# KiCad board sample013-sdi-mipi-video-converter.kicad_pcb (continued)
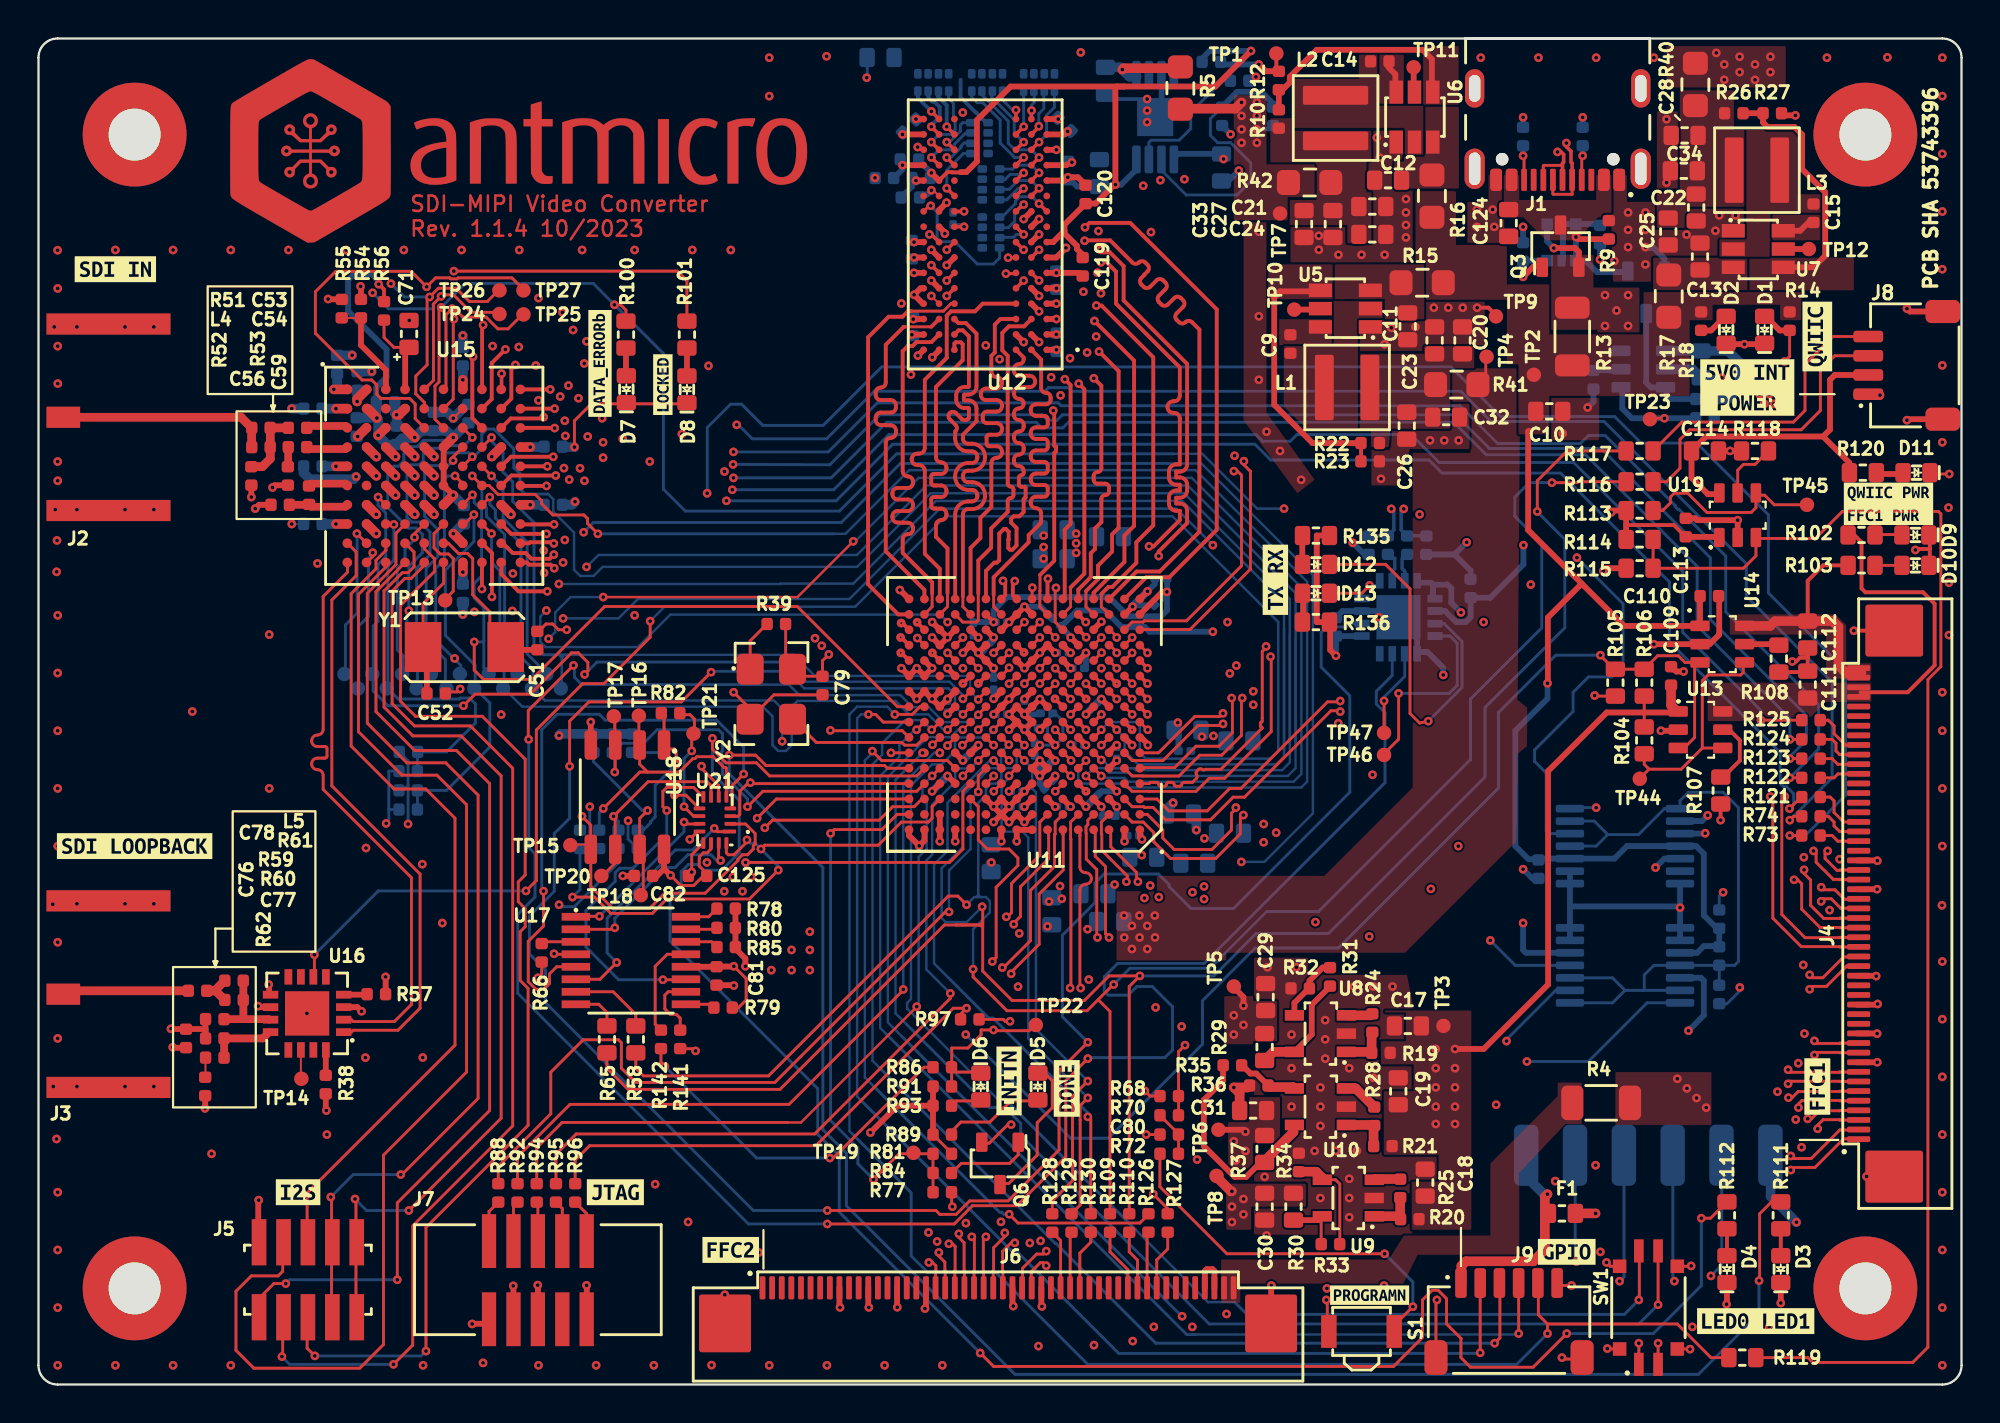
[diagram p0: board, top side]
## Routing (per net, layer and track width the routed paths; a pad name or vN(x,y) marks a point on that pad's centre or on a via; arc(x,y) is an arc through that point) (continued)
/Peripherals/QW_FLT: length 9.9
  Top w0.15: 89.31,46.3 89.31,45.6 89.06,45.35 86.76,45.35 85.76,46.35 85.06,46.35 84.86,46.15 84.86,45.85 84.46,45.45 R113.2 ; 91.91,45.75 90.26,45.75 89.76,46.25 89.36,46.25
/Peripherals/QWIIC_3V3: length 17.3
  Top w0.3: 87.41,46.3 86.81,46.3 85.96,47.15 C114.2 86.71,49.3 92.8,49.3 ; R120.2 94.16,47.43 94.16,47.94 92.8,49.3 ; 94.5,52.5 93.41,52.5 93.16,52.25 93.16,49.66 92.8,49.3
/Peripherals/QWIIC_PEN: length 71.3
  Top w0.15: R114.2 R115.1 88.66,42.45 89.31,43.1 89.31,44 92.4,44 93.8,45.4 98.8,45.4 98.93,45.28 98.93,37.34 98.25,36.66 98.25,1.94 97.46,1.15 92.26,1.15 92.01,1.4 R119.1
/Peripherals/USB_D2N: length 1.3
  Bottom w0.182: 70.91,42.96 70.91,42.43 71.04,42.3 71.04,41.7
/Peripherals/USB_D2P: length 1.8
  Bottom w0.182: 70.4,41.7 70.4,42.3 70.53,42.43 70.53,42.96 70.37,42.96 70.17,43.17
/Peripherals/USB_DN: length 30.4
  Top w0.15: 78.75,62.65 78.75,61.92 78.78,61.9 79.75,61.9 79.75,61.9 79.75,62.65
  Top w0.182: 79.75,62.65 79.75,63.51 79.69,63.57 79.69,64.13 79.45,64.37 v1(79.45,64.56)
  In2.Cu w0.1: v1(71,45.54) 70.79,45.74 70.79,49.44 76.12,54.77 76.12,59.37 76.69,59.93 76.69,61 77.3,61.62 78.28,61.62 79.45,62.78 v1(79.45,64.56)
  Bottom w0.182: 72.17,44.14 71.17,44.14 70.86,44.44 70.86,45.4 v1(71,45.54)
/Peripherals/USB_DP: length 30.4
  Top w0.15: 79.25,62.65 79.25,63.37 79.22,63.4 78.28,63.4 78.25,63.37 78.25,62.65
  Top w0.182: v1(78.99,64.1) 79.18,64.1 79.31,63.97 79.31,63.57 79.25,63.51 79.25,62.65
  In2.Cu w0.1: v1(70.34,45.54) 70.54,45.74 70.54,49.54 75.88,54.87 75.88,57.54 arc(75.82,57.66) 75.7,57.71 75.56,57.71 arc(75.43,57.76) 75.38,57.89 arc(75.43,58.01) 75.56,58.06 75.7,58.06 arc(75.82,58.11) 75.88,58.23 75.88,59.47 76.44,60.03 76.44,61.1 77.2,61.87 78.18,61.87 79.2,62.89 79.2,63.89 v1(78.99,64.1)
  Bottom w0.182: 69.17,44.14 70.17,44.14 70.48,44.44 70.48,45.4 v1(70.34,45.54)
/Power Supply/FFC2_5V_1: length 8
  Bottom w0.3: 87.15,51.25 87.15,50.25
  Bottom w0.5: 84.66,53.75 C4.2 87.86,53.75 88.46,53.15 88.46,51.85 88.27,51.66 ; 88.27,51.66 88.36,51.66 ; 88.27,51.66 87.86,51.25 87.15,51.25
  vias: v1(85.22,15.9) v1(85.72,15.4) v1(86.22,14.9) v1(86.72,14.4) v1(89.5,51.5) v1(89.75,51) v1(90,51.5) v1(90.25,51) v1(90.5,51.5)
/Power Supply/VREF_0V45: length 36.6
  Bottom w0.15: 87.4,21.8 87.4,20.77 ; 82.5,20.5 81.85,21.15 U2.10 ; 82.5,20.5 81.85,19.85 79.64,19.85 ; 82.5,20.5 83.5,20.5 ; U3.4 81,28 81.6,28.6 ; 83.5,20.5 83.5,21.3 84,21.8 U2.4 87.2,21.8 ; 83.5,20.5 U2.6 ; U3.6 80.9,29.3 81.6,28.6 ; 81.6,28.6 83.2,28.6 84.55,29.95 85.36,29.95 85.36,30.36 85.8,30.8 87.6,30.8 88.4,30 88.4,22 88.2,21.8 87.5,21.8
/Power Supply/~{FAULT}: length 5.9
  Top w0.15: 83.8,50.25 v1(84.55,50.25)
  Bottom w0.3: 86.18,50.25 v1(84.55,50.25) 82.86,50.25 82.36,50.75 82.36,51.85
/SDI/20bit/~{10bit}: length 20.1
  Top w0.15: 22.15,44.75 v1(22.64,45.24)
  Bottom w0.15: R138.2 R137.1 21.22,30.9 23.47,33.15 23.47,35.44 22.71,36.2 22.71,37.4 21.16,38.95 21.16,42.35 22.64,43.83 v1(22.64,45.24)
/SDI/AGC_N: length 3.1
  Top w0.4: 13.05,45.75 14.05,45.75 ; U15.G1 15.96,45.65 14.19,45.65 14.07,45.77
/SDI/AGC_P: length 2.1
  Top w0.4: 14.07,46.73 14.19,46.85 15.96,46.85 U15.F1
/SDI/AUDIO_EN/~{DIS}: length 19.6
  Top w0.15: 18.1,44.73 v1(18.48,44.73)
  Bottom w0.15: R140.2 19.7,32.89 ; v1(18.48,44.73) 18.48,42.87 18.17,42.56 18.17,36.21 ; 18.16,36.2 18.71,35.65 21.88,35.65 21.93,35.7 22.42,35.7 22.72,35.4 22.72,34.4 21.22,32.9 R139.1
/SDI/DVB_ASI: length 37.6
  Top w0.15: v1(48.87,34.05) U11.H11 ; v1(23.47,46.15) 23.07,45.75
  In2.Cu w0.125: v1(48.87,34.05) 48.47,33.65 38.87,33.65 v1(38.67,33.45)
  Bottom w0.125: v1(38.67,33.45) 38.67,35.15 38.25,35.57 26.34,35.57 26.32,35.6
  Bottom w0.15: v1(23.47,46.15) 23.47,45.76 23.76,45.47 23.76,45.06 25.09,43.73 25.09,37.83 25.71,37.21 25.71,36.2 26.32,35.6
/SDI/IOPROC_EN/~{DIS}: length 37.7
  Top w0.15: v1(47.27,34.05) U11.H13 ; 23.07,44.74 v1(23.56,44.25)
  Bottom w0.125: v1(47.27,34.05) 47.07,34.05 46.27,34.85 45.27,34.85 44.57,35.55 39.47,35.55 39.17,35.25 39.17,33.25 38.87,32.95 38.47,32.95 38.17,33.25 38.17,34.75 37.67,35.25 25.16,35.25 24.21,36.2
  Bottom w0.15: v1(23.56,44.25) 23.56,42.75 23.99,42.32 23.99,37.62 24.21,37.4 24.21,36.2
/SDI/JTAG/~{HOST}: length 39.8
  Top w0.15: 23.07,48.75 23.56,49.24 v1(23.56,49.25) ; v1(48.87,35.63) 48.87,35.65 U11.K11
  Bottom w0.1: 47.07,36.85 48.22,36.85 48.44,36.62 48.44,36.05 v1(48.87,35.63)
  Bottom w0.125: 47.07,36.85 40.37,36.85 39.27,37.95 27.47,37.95 ; 27.21,36.2 27.21,37.81 ; 27.21,37.81 27.35,37.95 27.47,37.95 ; 27.21,37.81 27.07,37.95 27.47,37.95
  Bottom w0.15: 27.17,37.95 26.27,37.95 25.77,38.45 25.77,44.82 24.66,45.93 24.66,46.95 24.16,47.45 24.16,48.45 23.56,49.05 v1(23.56,49.25)
/SDI/RESET_TRST: length 98.3
  Top w0.15: U11.D4 v1(54.47,31.65) ; 22.07,49.74 v1(22.56,49.25)
  In2.Cu w0.15: v1(28.5,42.52) 28.5,42.34 27.01,40.85 24.07,40.85 22.14,38.92 19.78,38.92 19.26,39.44 v1(19.26,40.24)
  Bottom w0.125: 65.37,40.45 65.37,41.15 59.77,46.75 46.17,46.75 42.56,43.14 29.12,43.14 v1(28.5,42.52) ; v1(54.47,31.65) 54.87,32.05 55.45,32.05 55.68,31.82 56.7,31.82 56.87,31.65 64.97,31.65 65.37,32.05 65.37,38.75
  Bottom w0.13: 65.37,40.45 65.37,33.38
  Bottom w0.15: 19.71,36.2 19.71,38.02 19.16,38.58 19.16,40.14 v1(19.26,40.24) 19.26,42.55 19.96,43.25 19.96,44.22 19.64,44.54 19.24,44.54 19.24,44.54 18.16,45.62 18.16,47.43 18.49,47.76 18.72,47.76 19,48.04 19,48.39 19.39,48.78 19.7,48.78 20.02,49.1 21.12,49.1 21.39,48.83 22.14,48.83 v1(22.56,49.25)
/SDI/SCLK_TCK: length 84.3
  Top w0.15: U11.E5 v1(54.47,32.45) ; 23.07,46.75 23.44,46.75 23.9,46.29 25.83,46.29 26.16,45.96 26.16,45.81 26.75,45.22 28.36,45.22 28.55,45.03 28.55,44.78 v1(29.09,44.24) ; 23.06,46.75 v1(22.56,47.25)
  Bottom w0.125: 41.38,44.24 41.96,44.24 45.27,47.55 60.17,47.55 65.97,41.75 65.97,31.35 65.67,31.05 56.57,31.05 56.37,31.25 54.27,31.25 54.07,31.45 U11.E5 v1(54.47,32.45)
  Bottom w0.15: v1(22.56,47.25) 23.06,46.75 23.06,45.82 23.29,45.59 23.29,45.16 24.24,44.21 24.24,38.12 24.96,37.4 24.96,36.95 ; 41.38,44.24 v1(29.09,44.24)
/SDI/SDI_D0: length 61.2
  Top w0.2: U11.L1 v1(57.67,36.45) ; v1(23.06,41.37) 23.06,42.74
  In4.Cu w0.13: v1(57.67,36.45) 59.87,36.45 61.12,35.2 61.12,34.25 61.48,33.89 61.48,27.77 60.27,26.55 55.05,26.55 53.2,24.7 51.19,24.7 50.5,25.4 48.12,25.4 47.77,25.05 39.56,25.05 25.35,39.26 23.76,39.26 23.06,39.96 v1(23.06,41.37)
/SDI/SDI_D1: length 61.4
  Top w0.15: v1(56.87,36.45) U11.L2
  Top w0.2: v1(23.58,40.96) 23.58,43.24 23.07,43.75
  In4.Cu w0.13: v1(23.58,40.96) 23.58,40.44 24.27,39.75 26.33,39.75 34.55,31.53 arc(34.69,31.47) 34.83,31.53 35.13,31.82 arc(35.27,31.88) 35.41,31.82 arc(35.47,31.68) 35.41,31.54 35.12,31.25 arc(35.06,31.11) 35.12,30.96 40.41,25.67 52.33,25.67 53.51,26.85 59.67,26.85 61.01,28.2 61.01,32.56 60.12,33.46 60.12,35.61 59.67,36.05 57.27,36.05 v1(56.87,36.45)
/SDI/SDI_D2: length 63.8
  Top w0.2: v1(26.46,41.25) 24.96,41.25 24.07,42.14 24.07,42.75 ; U11.K1 v1(57.67,35.65)
  In4.Cu w0.13: v1(57.67,35.65) 58.57,35.65 59.72,34.5 59.72,32.9 60.22,32.4 60.22,29.39 57.97,27.15 52.86,27.15 51.97,26.25 41.52,26.25 40.66,27.11 arc(40.6,27.25) 40.66,27.39 40.94,27.68 arc(41,27.82) 40.94,27.96 arc(40.8,28.02) 40.65,27.96 39.7,27 arc(39.56,26.95) 39.42,27 arc(39.36,27.15) 39.42,27.29 40.37,28.24 arc(40.43,28.38) 40.37,28.52 arc(40.23,28.58) 40.09,28.52 39.14,27.57 arc(38.99,27.51) 38.85,27.57 arc(38.79,27.71) 38.85,27.85 39.81,28.81 arc(39.86,28.95) 39.81,29.09 arc(39.66,29.15) 39.52,29.09 38.57,28.14 arc(38.43,28.08) 38.29,28.14 arc(38.23,28.28) 38.29,28.42 39.24,29.37 arc(39.3,29.51) 39.24,29.66 arc(39.1,29.71) 38.96,29.66 38.68,29.37 arc(38.53,29.31) 38.39,29.37 26.52,41.25 v1(26.46,41.25)
/SDI/SDI_D3: length 64.1
  Top w0.15: v1(56.87,35.65) U11.K2
  Top w0.2: v1(26.82,42.45) 26.64,42.64 25.52,42.64 25.4,42.75 25.07,42.75
  In4.Cu w0.13: v1(26.82,42.45) 30.5,38.78 arc(30.55,38.63) 30.49,38.49 30.24,38.23 arc(30.18,38.09) 30.24,37.95 arc(30.38,37.89) 30.52,37.95 31.18,38.61 arc(31.32,38.67) 31.46,38.61 arc(31.52,38.47) 31.46,38.33 30.8,37.67 arc(30.74,37.53) 30.8,37.39 arc(30.94,37.33) 31.09,37.39 31.74,38.04 arc(31.88,38.1) 32.03,38.04 arc(32.08,37.9) 32.03,37.76 31.37,37.1 arc(31.31,36.96) 31.37,36.82 arc(31.51,36.76) 31.65,36.82 32.31,37.48 arc(32.45,37.54) 32.59,37.48 arc(32.65,37.34) 32.59,37.19 31.93,36.54 arc(31.88,36.4) 31.93,36.25 arc(32.08,36.2) 32.22,36.25 32.87,36.91 arc(33.02,36.97) 33.16,36.91 arc(33.22,36.77) 33.16,36.63 32.5,35.97 arc(32.44,35.83) 32.5,35.69 arc(32.64,35.63) 32.78,35.69 33.44,36.35 arc(33.58,36.4) 33.72,36.35 arc(33.78,36.2) 33.72,36.06 33.07,35.41 arc(33.01,35.26) 33.07,35.12 arc(33.21,35.06) 33.35,35.12 34.01,35.78 arc(34.15,35.84) 34.29,35.78 arc(34.35,35.64) 34.29,35.5 34.17,35.38 arc(34.11,35.24) 34.17,35.1 42.51,26.76 51.53,26.76 52.32,27.55 56.81,27.55 57.22,27.97 57.84,27.97 59.39,29.52 59.39,33.74 58.86,34.26 58.86,34.61 58.22,35.25 57.27,35.25 v1(56.87,35.65)
/SDI/SDI_D4: length 63.4
  Top w0.2: 57.29,35.23 v1(57.67,34.85) ; v1(26.8,43.16) 26.58,42.94 25.63,42.94 25.33,43.24 24.66,43.24 24.15,43.75
  In4.Cu w0.13: v1(57.67,34.85) 58.02,34.85 58.57,34.3 58.57,34.04 58.87,33.74 58.87,30.85 58.62,30.6 58.62,29.85 57.52,28.75 56.43,28.75 55.83,28.15 52.17,28.15 51.62,27.61 42.86,27.61 31.39,39.09 31.39,40.34 31.05,40.67 arc(30.91,40.73) 30.77,40.67 30.02,39.93 arc(29.88,39.87) 29.74,39.93 arc(29.68,40.07) 29.74,40.21 31.58,42.05 arc(31.64,42.19) 31.58,42.33 arc(31.44,42.39) 31.3,42.33 30.09,41.13 arc(29.95,41.07) 29.81,41.13 arc(29.75,41.27) 29.81,41.41 31.02,42.62 arc(31.07,42.76) 31.02,42.9 arc(30.87,42.96) 30.73,42.9 28.89,41.06 arc(28.75,41) 28.61,41.06 arc(28.55,41.2) 28.61,41.34 30.13,42.86 arc(30.19,43) 30.13,43.15 arc(29.99,43.2) 29.85,43.15 29.35,42.65 arc(29.21,42.59) 29.07,42.65 28.56,43.16 v1(26.8,43.16)
/SDI/SDI_D5: length 64.2
  Top w0.15: v1(56.87,34.85) U11.J2
  Top w0.2: 25.07,43.75 25.5,43.75 25.55,43.8 26.74,43.8 v1(26.8,43.74)
  In4.Cu w0.13: v1(56.87,34.85) 57.27,34.45 57.87,34.45 58.34,33.98 58.34,33.73 58.47,33.6 58.47,31.05 58.22,30.8 58.22,30.15 57.37,29.3 56.02,29.3 55.47,28.75 51.92,28.75 51.03,27.87 49.2,27.87 48.42,28.65 47.92,28.65 47.91,28.64 45.66,28.64 45.1,28.08 43.39,28.08 33.45,38.02 33.45,38.61 33.45,38.66 33.45,39.07 arc(33.51,39.21) 33.65,39.27 34.34,39.27 arc(34.48,39.33) 34.54,39.47 arc(34.48,39.61) 34.34,39.67 32.56,39.67 arc(32.42,39.73) 32.36,39.87 arc(32.42,40.01) 32.56,40.07 34.34,40.07 arc(34.48,40.13) 34.54,40.27 arc(34.48,40.41) 34.34,40.47 32.56,40.47 arc(32.42,40.53) 32.36,40.67 arc(32.42,40.81) 32.56,40.87 34.34,40.87 arc(34.48,40.93) 34.54,41.07 arc(34.48,41.21) 34.34,41.27 32.56,41.27 arc(32.42,41.33) 32.36,41.47 arc(32.42,41.61) 32.56,41.67 34.34,41.67 arc(34.48,41.73) 34.54,41.87 arc(34.48,42.01) 34.34,42.07 33.65,42.07 arc(33.51,42.13) 33.45,42.27 33.45,42.67 32.63,43.49 27.05,43.49 v1(26.8,43.74)
/SDI/SDI_D6: length 64.5
  Top w0.2: U11.L3 v2(56.07,36.45) ; 24.07,44.75 24.58,44.24 v1(26.42,44.24)
  In2.Cu w0.13: v2(56.07,36.45) 56.46,36.07 57.8,36.07 58.18,35.68 58.18,30.33 57.32,29.47 55.07,29.47 53.67,28.07 52.2,28.07 50.42,26.29 39.82,26.29 36.09,30.02 arc(36.04,30.16) 36.09,30.3 36.38,30.58 arc(36.44,30.72) 36.38,30.86 arc(36.24,30.92) 36.09,30.86 35.14,29.91 arc(35,29.85) 34.86,29.91 arc(34.8,30.05) 34.86,30.19 35.81,31.15 arc(35.87,31.29) 35.81,31.43 arc(35.67,31.49) 35.53,31.43 34.58,30.48 arc(34.43,30.42) 34.29,30.48 arc(34.23,30.62) 34.29,30.76 35.25,31.71 arc(35.3,31.85) 35.25,31.99 arc(35.1,32.05) 34.96,31.99 34.01,31.04 arc(33.87,30.98) 33.73,31.04 arc(33.67,31.18) 33.73,31.32 34.11,31.71 arc(34.17,31.85) 34.11,32 28.89,37.22 28.89,42.97 27.53,44.33 26.51,44.33 v1(26.42,44.24)
/SDI/SDI_D7: length 62.9
  Top w0.15: v1(57.68,34.05) 57.67,34.05 U11.H1
  Top w0.2: v1(26.81,44.73) 25.09,44.73
  In4.Cu w0.13: v1(26.81,44.73) 32.56,44.73 33.59,45.76 33.59,48.87 34.21,49.49 36.04,49.49 36.7,48.83 36.7,46.33 36.71,46.32 35.76,45.37 35.76,44.86 arc(35.82,44.72) 35.96,44.66 36.38,44.66 arc(36.52,44.6) 36.58,44.46 arc(36.52,44.32) 36.38,44.26 35.14,44.26 arc(35,44.2) 34.94,44.06 arc(35,43.92) 35.14,43.86 36.38,43.86 arc(36.52,43.8) 36.58,43.66 arc(36.52,43.52) 36.38,43.46 35.96,43.46 arc(35.82,43.4) 35.76,43.26 35.76,36.96 43.52,29.2 48.87,29.2 49.37,28.7 51.26,28.7 51.81,29.25 55.27,29.25 55.62,29.6 56.97,29.6 57.72,30.35 57.72,31 58.12,31.4 58.12,33.5 57.97,33.65 57.97,33.9 57.82,34.05 v1(57.68,34.05)
/SDI/SDI_D8: length 63.8
  Top w0.182: v1(55.27,34.85) U11.H4
  Top w0.2: v1(26.9,47.27) 24.59,47.27 24.07,46.75
  In4.Cu w0.13: v1(26.9,47.27) 26.9,46.72 27.07,46.55 31.87,46.55 32.47,47.15 32.47,50.96 33.1,51.59 36.5,51.59 38.07,50.02 38.07,42.45 arc(38.13,42.31) 38.27,42.25 38.62,42.25 arc(38.76,42.19) 38.82,42.05 arc(38.76,41.91) 38.62,41.85 37.89,41.85 arc(37.77,41.8) 37.72,41.68 37.72,41.62 arc(37.77,41.5) 37.89,41.45 38.62,41.45 arc(38.76,41.39) 38.82,41.25 arc(38.76,41.11) 38.62,41.05 37.89,41.05 arc(37.77,41) 37.72,40.88 37.72,40.83 arc(37.77,40.7) 37.89,40.65 38.62,40.65 arc(38.76,40.59) 38.82,40.45 arc(38.76,40.31) 38.62,40.25 37.89,40.25 arc(37.77,40.2) 37.72,40.08 37.72,40.03 arc(37.77,39.9) 37.89,39.85 38.62,39.85 arc(38.76,39.79) 38.82,39.65 arc(38.76,39.51) 38.62,39.45 37.89,39.45 arc(37.77,39.4) 37.72,39.28 37.72,39.23 arc(37.77,39.1) 37.89,39.05 38.62,39.05 arc(38.76,38.99) 38.82,38.85 arc(38.76,38.71) 38.62,38.65 38.27,38.65 arc(38.13,38.59) 38.07,38.45 38.07,36.52 42.55,32.04 53.88,32.04 54.08,32.24 54.08,32.6 54.31,32.84 54.63,32.84 54.88,33.08 54.88,34.26 55.27,34.65 v1(55.27,34.85)
/SDI/SDI_D9: length 65.4
  Top w0.182: U11.K3 v1(56.07,35.65)
  Top w0.2: v1(26.42,46.73) 25.09,46.73
  In2.Cu w0.13: v1(56.07,35.65) 56.46,35.27 57,35.27 57.28,34.99 57.28,30.84 56.88,30.44 55.12,30.44 54.88,30.21 54.88,29.79 54.48,29.39 54.09,29.39 53.12,28.43 52.09,28.43 51.34,27.67 50.29,27.67 50.1,27.48 50.1,27.03 49.82,26.75 40.94,26.75 33.66,34.04 arc(33.51,34.09) 33.37,34.04 33.09,33.76 arc(32.95,33.7) 32.81,33.76 arc(32.75,33.9) 32.81,34.04 33.65,34.88 arc(33.71,35.02) 33.65,35.16 arc(33.51,35.22) 33.37,35.16 32.53,34.32 arc(32.39,34.26) 32.25,34.32 arc(32.19,34.46) 32.25,34.61 33.08,35.44 arc(33.14,35.59) 33.08,35.73 arc(32.94,35.79) 32.8,35.73 31.96,34.89 arc(31.82,34.83) 31.68,34.89 arc(31.62,35.03) 31.68,35.17 32.52,36.01 arc(32.58,36.15) 32.52,36.29 arc(32.38,36.35) 32.24,36.29 31.4,35.45 arc(31.26,35.4) 31.11,35.45 arc(31.06,35.59) 31.11,35.74 31.95,36.58 arc(32.01,36.72) 31.95,36.86 arc(31.81,36.92) 31.67,36.86 30.83,36.02 arc(30.69,35.96) 30.55,36.02 arc(30.49,36.16) 30.55,36.3 30.83,36.58 arc(30.89,36.72) 30.83,36.86 29.79,37.9 29.79,44.73 28.07,46.45 26.7,46.45 v1(26.42,46.73)
/SDI/SDI_D10: length 62.6
  Top w0.182: U11.H5 v1(54.47,34.05)
  Top w0.2: v1(26.77,48.25) 24.57,48.25 24.07,47.75
  In4.Cu w0.13: v1(54.47,34.05) 54.47,33.79 54.09,33.41 54.09,33.12 53.83,32.87 47.43,32.87 47.02,32.46 45.82,32.46 43.91,34.37 42.81,34.37 41.25,35.93 arc(41.19,36.07) 41.25,36.22 41.66,36.62 arc(41.71,36.77) 41.66,36.91 arc(41.51,36.97) 41.37,36.91 40.27,35.81 arc(40.13,35.75) 39.99,35.81 arc(39.93,35.95) 39.99,36.09 41.09,37.19 arc(41.15,37.33) 41.09,37.47 arc(40.95,37.53) 40.81,37.47 39.71,36.37 arc(39.57,36.31) 39.42,36.37 arc(39.37,36.51) 39.42,36.66 40.52,37.76 arc(40.58,37.9) 40.52,38.04 arc(40.38,38.1) 40.24,38.04 39.83,37.63 arc(39.69,37.57) 39.55,37.63 39.07,38.11 39.07,52.05 37.47,53.65 32.87,53.65 31.67,52.45 31.67,48.85 30.57,47.75 28.77,47.75 28.27,48.25 v1(26.77,48.25)
/SDI/SDI_D11: length 64.6
  Top w0.2: U11.H2 v2(56.87,34.05) ; 25.07,47.75 v1(26.46,47.75)
  In2.Cu w0.13: v2(56.87,34.05) 56.46,33.64 56.46,32.27 54.64,30.46 54.33,30.46 54.06,30.19 54.06,29.89 52.82,28.66 51.95,28.66 51.93,28.64 49.83,28.64 48.82,27.63 45.15,27.63 arc(45.01,27.69) 44.95,27.83 44.95,28.43 arc(44.89,28.57) 44.75,28.63 arc(44.61,28.57) 44.55,28.43 44.55,27.23 arc(44.49,27.09) 44.35,27.03 arc(44.21,27.09) 44.15,27.23 44.15,28.43 arc(44.09,28.57) 43.95,28.63 arc(43.81,28.57) 43.75,28.43 43.75,27.23 arc(43.69,27.09) 43.55,27.03 arc(43.41,27.09) 43.35,27.23 43.35,28.43 arc(43.29,28.57) 43.15,28.63 arc(43.01,28.57) 42.95,28.43 42.95,27.23 arc(42.89,27.09) 42.75,27.03 arc(42.61,27.09) 42.55,27.23 42.55,28.43 arc(42.49,28.57) 42.35,28.63 arc(42.21,28.57) 42.15,28.43 42.15,27.83 arc(42.09,27.69) 41.95,27.63 41.6,27.63 39.02,30.21 arc(38.96,30.35) 39.02,30.49 39.14,30.61 arc(39.2,30.75) 39.14,30.89 arc(39,30.95) 38.86,30.89 38.16,30.2 arc(38.02,30.14) 37.88,30.2 arc(37.82,30.34) 37.88,30.48 38.57,31.17 arc(38.63,31.32) 38.57,31.46 arc(38.43,31.52) 38.29,31.46 37.6,30.76 arc(37.45,30.7) 37.31,30.76 arc(37.25,30.9) 37.31,31.04 38.01,31.74 arc(38.07,31.88) 38.01,32.02 arc(37.87,32.08) 37.73,32.02 37.61,31.91 arc(37.47,31.85) 37.33,31.91 30.59,38.64 30.59,45.73 28.77,47.55 28.77,47.56 28.28,48.04 27.17,48.04 26.88,47.75 v1(26.46,47.75)
/SDI/SDI_D12: length 62.9
  Top w0.2: U11.J6 v2(52.86,35.66) ; v1(22.6,53.45) 22.56,53.41 22.56,50.26 23.07,49.75
  In2.Cu w0.13: v1(22.6,53.45) 22.6,53.68 24.27,55.35 24.27,56.65 24.97,57.35 33.37,57.35 34.28,56.44 34.28,40.23 34.77,39.75 arc(34.91,39.69) 35.05,39.75 35.38,40.08 arc(35.52,40.14) 35.66,40.08 arc(35.72,39.94) 35.66,39.8 34.89,39.02 arc(34.83,38.88) 34.89,38.74 arc(35.03,38.68) 35.17,38.74 35.95,39.51 arc(36.09,39.57) 36.23,39.51 arc(36.29,39.37) 36.23,39.23 35.46,38.46 arc(35.4,38.31) 35.46,38.17 arc(35.6,38.11) 35.74,38.17 36.51,38.95 arc(36.65,39.01) 36.8,38.95 arc(36.85,38.81) 36.8,38.66 36.46,38.33 arc(36.4,38.19) 36.46,38.05 39.28,35.23 52.55,35.23 52.86,35.54 v2(52.86,35.66)
/SDI/SDI_D13: length 61.7
  Top w0.2: v2(54.48,35.65) 54.47,35.65 U11.K5 ; v1(26.84,49.74) 26.83,49.75 25.07,49.75
  In4.Cu w0.13: v2(54.48,35.65) 54.48,35.47 54.09,35.08 54.09,34.71 53.82,34.45 52.67,34.45 52.47,34.25 52.47,33.93 52.2,33.67 46.29,33.67 46.06,33.89 46.06,34.44 45.28,35.22 45.28,35.78 42.37,38.7 arc(42.23,38.76) 42.08,38.7 41.73,38.35 arc(41.59,38.29) 41.45,38.35 arc(41.39,38.49) 41.45,38.63 42.44,39.62 arc(42.49,39.76) 42.44,39.9 arc(42.29,39.96) 42.15,39.9 41.17,38.91 arc(41.03,38.85) 40.88,38.91 arc(40.83,39.05) 40.88,39.19 41.87,40.18 arc(41.93,40.32) 41.87,40.46 arc(41.73,40.52) 41.59,40.46 40.6,39.48 arc(40.46,39.42) 40.32,39.48 arc(40.26,39.62) 40.32,39.76 41.31,40.75 arc(41.36,40.89) 41.31,41.03 arc(41.16,41.09) 41.02,41.03 40.67,40.68 arc(40.53,40.62) 40.39,40.68 39.98,41.08 39.98,53.84 38.7,55.12 32.54,55.12 30.27,52.85 30.27,50.25 29.75,49.73 27.21,49.73 27.21,49.74 v1(26.84,49.74)
/SDI/SDI_D14: length 65
  Top w0.2: v1(26.27,50.31) 26.2,50.24 24.56,50.24 24.07,49.75 ; U11.D5 v2(54.47,30.85)
  In2.Cu w0.13: v2(54.47,30.85) 54.27,30.85 54.04,30.62 53.62,30.62 53.25,30.26 53.25,29.71 52.44,28.9 51.82,28.9 51.78,28.87 49.5,28.87 49.5,28.88 41.57,28.88 38.86,31.58 38.86,31.59 31.38,39.07 31.38,51.04 arc(31.32,51.18) 31.18,51.24 30.61,51.24 arc(30.47,51.3) 30.41,51.44 arc(30.47,51.58) 30.61,51.64 31.85,51.64 arc(31.99,51.7) 32.05,51.84 arc(31.99,51.98) 31.85,52.04 30.61,52.04 arc(30.47,52.1) 30.41,52.24 arc(30.47,52.38) 30.61,52.44 31.85,52.44 arc(31.99,52.5) 32.05,52.64 arc(31.99,52.78) 31.85,52.84 30.61,52.84 arc(30.47,52.9) 30.41,53.04 arc(30.47,53.18) 30.61,53.24 31.85,53.24 arc(31.99,53.3) 32.05,53.44 arc(31.99,53.58) 31.85,53.64 31.58,53.64 arc(31.44,53.7) 31.38,53.84 31.38,54.59 31.02,54.95 29.77,54.95 29.37,54.55 29.37,51.05 28.63,50.31 27.9,50.31 27.7,50.51 27.14,50.51 26.94,50.31 v1(26.27,50.31)
/SDI/SDI_D15: length 62.5
  Top w0.182: v1(53.67,34.85) U11.J5
  Top w0.2: v1(26.84,50.75) 25.07,50.75
  In4.Cu w0.13: v1(53.67,34.85) 51.87,34.85 51.45,34.44 47.03,34.44 46.05,35.42 46.05,36.05 45.25,36.84 45.25,42.79 43.63,44.41 arc(43.49,44.47) 43.34,44.41 43.01,44.08 arc(42.87,44.02) 42.73,44.08 arc(42.67,44.22) 42.73,44.36 43.75,45.38 arc(43.81,45.53) 43.75,45.67 arc(43.61,45.73) 43.47,45.67 42.37,44.57 arc(42.23,44.51) 42.09,44.57 arc(42.03,44.71) 42.09,44.86 43.18,45.95 arc(43.24,46.09) 43.18,46.23 arc(43.04,46.29) 42.9,46.23 41.81,45.14 arc(41.67,45.08) 41.52,45.14 arc(41.47,45.28) 41.52,45.42 41.93,45.83 arc(41.99,45.97) 41.93,46.11 41.5,46.54 41.5,54.82 39.87,56.45 31.97,56.45 29.27,53.75 27.44,53.75 26.97,53.28 26.97,52.85 27.37,52.45 28.47,52.45 28.87,52.05 28.87,51.35 28.27,50.75 v1(26.84,50.75)
/SDI/SDI_D16: length 62.7
  Top w0.182: U11.L4 v1(55.27,36.45)
  Top w0.2: 24.07,50.75 24.59,51.27 24.59,52.81 v1(24.8,53.02)
  In4.Cu w0.13: v1(55.27,36.45) 54.86,36.04 54.27,36.04 54.06,35.83 54.06,35.43 53.9,35.27 49.03,35.27 49.02,35.26 47.11,35.26 46.89,35.49 46.89,36.29 46.08,37.09 46.08,43.96 45.84,44.2 arc(45.7,44.25) 45.56,44.2 45.05,43.68 arc(44.91,43.62) 44.76,43.68 arc(44.71,43.82) 44.76,43.96 46.08,45.28 arc(46.13,45.42) 46.08,45.56 arc(45.93,45.62) 45.79,45.56 44.48,44.25 arc(44.34,44.19) 44.2,44.25 arc(44.14,44.39) 44.2,44.53 45.51,45.84 arc(45.57,45.98) 45.51,46.12 arc(45.37,46.18) 45.23,46.12 44.71,45.61 arc(44.57,45.55) 44.43,45.61 42.57,47.47 42.57,55.55 40.72,57.4 29.65,57.4 25.27,53.02 v1(24.8,53.02)
/SDI/SDI_D17: length 64
  Top w0.15: v1(53.68,31.65) 53.67,31.65 U11.E6
  Top w0.2: v1(26.61,51.75) 25.07,51.75
  In2.Cu w0.13: v1(26.61,51.75) 26.61,54.38 27.78,55.55 31.35,55.55 32.31,54.59 32.31,42.71 arc(32.37,42.57) 32.51,42.51 33.11,42.51 arc(33.25,42.45) 33.31,42.31 arc(33.25,42.17) 33.11,42.11 31.81,42.11 arc(31.67,42.05) 31.61,41.91 arc(31.67,41.77) 31.81,41.71 33.11,41.71 arc(33.25,41.65) 33.31,41.51 arc(33.25,41.37) 33.11,41.31 31.81,41.31 arc(31.67,41.25) 31.61,41.11 arc(31.67,40.97) 31.81,40.91 33.11,40.91 arc(33.25,40.85) 33.31,40.71 arc(33.25,40.57) 33.11,40.51 31.81,40.51 arc(31.67,40.45) 31.61,40.31 arc(31.67,40.17) 31.81,40.11 33.11,40.11 arc(33.25,40.05) 33.31,39.91 arc(33.25,39.77) 33.11,39.71 32.51,39.71 arc(32.37,39.65) 32.31,39.51 32.31,39.11 41.77,29.65 51.41,29.65 52.21,30.45 53.02,30.45 53.68,31.11 v1(53.68,31.65)
/SDI/SDI_D18: length 62.8
  Top w0.182: U11.K6 v1(53.67,35.65) ; v1(24.08,52.57) 24.08,51.76
  In2.Cu w0.13: v1(24.08,52.57) 25.19,52.57 25.42,52.8 25.42,54.8 27.27,56.65 31.37,56.65 33.09,54.93 33.09,48.83 33.57,48.35 33.57,46.65 arc(33.63,46.51) 33.77,46.45 33.81,46.45 arc(33.95,46.39) 34.01,46.25 arc(33.95,46.11) 33.81,46.05 32.78,46.05 arc(32.64,45.99) 32.58,45.85 arc(32.64,45.71) 32.78,45.65 33.81,45.65 arc(33.95,45.59) 34.01,45.45 arc(33.95,45.31) 33.81,45.25 32.78,45.25 arc(32.64,45.19) 32.58,45.05 arc(32.64,44.91) 32.78,44.85 33.81,44.85 arc(33.95,44.79) 34.01,44.65 arc(33.95,44.51) 33.81,44.45 32.78,44.45 arc(32.64,44.39) 32.58,44.25 arc(32.64,44.11) 32.78,44.05 33.81,44.05 arc(33.95,43.99) 34.01,43.85 arc(33.95,43.71) 33.81,43.65 32.78,43.65 arc(32.64,43.59) 32.58,43.45 arc(32.64,43.31) 32.78,43.25 33.81,43.25 arc(33.95,43.19) 34.01,43.05 arc(33.95,42.91) 33.81,42.85 33.77,42.85 arc(33.63,42.79) 33.57,42.65 33.57,39.55 38.68,34.44 51.41,34.44 51.81,34.85 52.87,34.85 v1(53.67,35.65)
/SDI/SDI_D19: length 63.6
  Top w0.182: U11.K4 v1(54.47,36.45)
  Top w0.2: 23.07,50.75 23.57,51.25 23.57,53.12 v1(24.28,53.83)
  In4.Cu w0.13: v1(24.28,53.83) 28.94,58.49 41.13,58.49 43.44,56.18 43.44,48.83 43.55,48.73 arc(43.69,48.67) 43.83,48.73 44.23,49.13 arc(44.38,49.19) 44.52,49.13 arc(44.58,48.99) 44.52,48.85 43.42,47.75 arc(43.36,47.61) 43.42,47.47 arc(43.56,47.41) 43.7,47.47 44.8,48.57 arc(44.94,48.62) 45.08,48.57 arc(45.14,48.42) 45.08,48.28 43.99,47.19 arc(43.93,47.05) 43.99,46.9 arc(44.13,46.85) 44.27,46.9 45.37,48 arc(45.51,48.06) 45.65,48 arc(45.71,47.86) 45.65,47.72 45.24,47.31 arc(45.18,47.17) 45.24,47.03 46.87,45.4 46.87,37.11 47.93,36.05 53.81,36.05 54.21,36.45 v1(54.47,36.45)
/SDI/SDI_IN: length 11
  Top w0.45: 11.08,48.75 11.08,49.75 10.53,50.3 1.32,50.3
/SDI/SDI_IN_F: length 3.7
  Top w0.45: 12.98,49.75 12.05,49.75 12.05,48.15 11.64,47.73 11.07,47.73
/SDI/SDI_N: length 2.2
  Top w0.4: 16.07,48.75 15.97,48.65 14.06,48.65 13.95,48.75
/SDI/SDI_N2: length 1
  Top w0.4: 12.98,48.75 12.98,47.75
/SDI/SDI_OUT: length 6.7
  Top w0.45: 1.12,20.48 7.78,20.48
/SDI/SDI_OUT_F2: length 2.3
  Top w0.45: 9.69,20 9.21,20.48 8.75,20.48 9.16,20.48 9.69,21
/SDI/SDI_OUT_N: length 4.4
  Top w0.4: 12,18.98 11.97,19 10.74,19 ; 9.66,19 10.74,19 ; 10.74,19 10.66,19.09 10.66,21
/SDI/SDI_OUT_P: length 3.5
  Top w0.4: 12,18.33 11.67,18 9.66,18 9.66,17
/SDI/SDI_P: length 2.2
  Top w0.4: 16.07,49.75 15.97,49.85 14.06,49.85 13.95,49.75
/SDI/SDI_PCLK: length 64.3
  Top w0.15: U11.L5 v1(53.67,36.45)
  Top w0.2: 23.07,51.75 23.07,55.05 v1(23.12,55.1)
  In2.Cu w0.13: v1(53.67,36.45) 53.27,36.05 40.73,36.05 35.25,41.53 35.25,48.87 arc(35.31,49.01) 35.45,49.07 35.96,49.07 arc(36.1,49.13) 36.16,49.27 arc(36.1,49.41) 35.96,49.47 34.84,49.47 arc(34.7,49.53) 34.64,49.67 arc(34.7,49.81) 34.84,49.87 35.61,49.87 arc(35.75,49.93) 35.81,50.07 arc(35.75,50.21) 35.61,50.27 34.84,50.27 arc(34.7,50.33) 34.64,50.47 arc(34.7,50.61) 34.84,50.67 35.96,50.67 arc(36.1,50.73) 36.16,50.87 arc(36.1,51.01) 35.96,51.07 34.84,51.07 arc(34.7,51.13) 34.64,51.27 arc(34.7,51.41) 34.84,51.47 35.96,51.47 arc(36.1,51.53) 36.16,51.67 arc(36.1,51.81) 35.96,51.87 35.45,51.87 arc(35.31,51.93) 35.25,52.07 35.25,56.67 33.47,58.45 24.47,58.45 23.12,57.1 v1(23.12,55.1)
